# KiCad board Quanta_RP2040Stamp_JLCPCBAoptimized.kicad_pcb (continued)
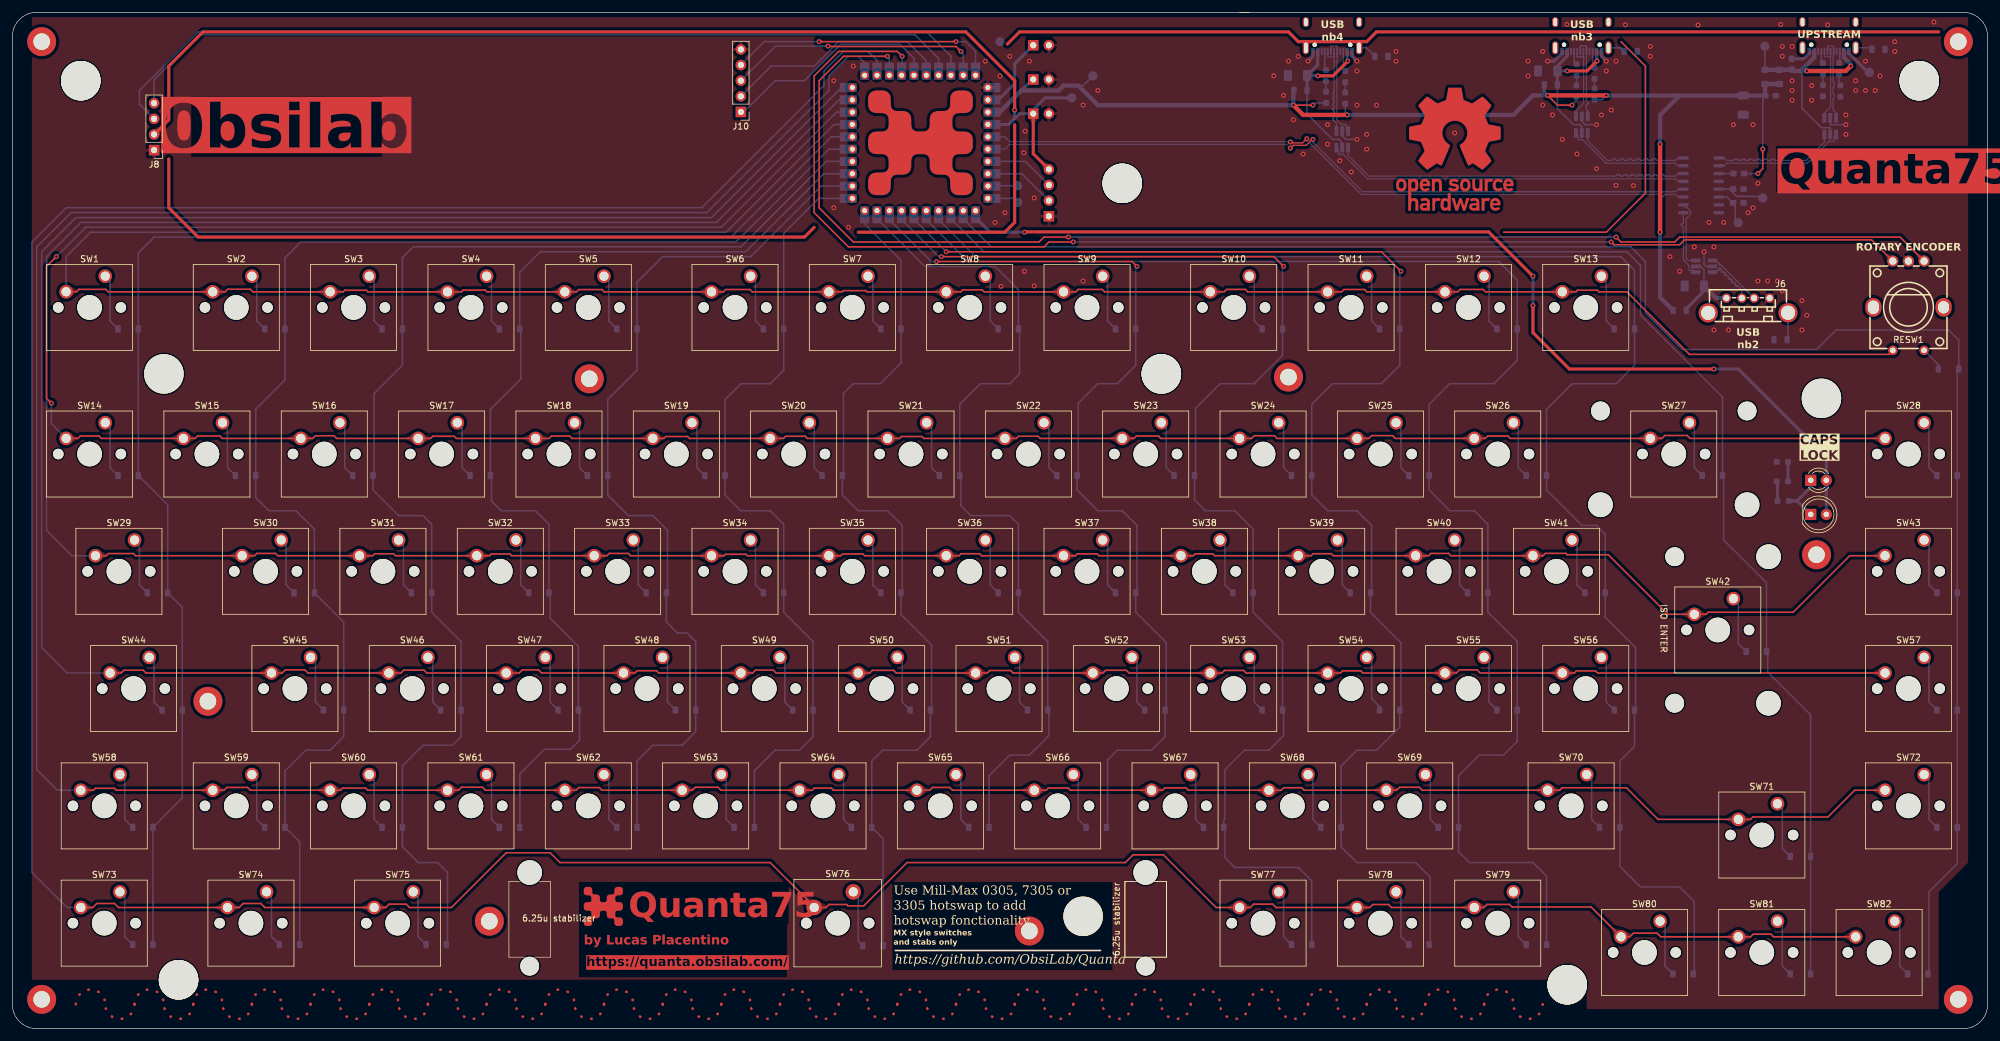
[diagram p0: board, top side]
## Footprints (pads in the part's own frame, mm; a bottom-side part is the same pattern mirrored in y, then rotated) (continued)
  round 4 hole 4 unplated: (-2.54,-5.08)
  round 2.2 hole 1.5: 1(0,0) 2(-6.35,-2.54)
SW_Cherry_MX_1.50u_PCB
  round 1.7 hole 1.7 unplated: (-7.62,-5.08) (2.54,-5.08)
  round 4 hole 4 unplated: (-2.54,-5.08)
  round 2.2 hole 1.5: 1(0,0) 2(-6.35,-2.54)
SW_Cherry_MX_1.75u_PCB
  round 1.7 hole 1.7 unplated: (-7.62,-5.08) (2.54,-5.08)
  round 4 hole 4 unplated: (-2.54,-5.08)
  round 2.2 hole 1.5: 1(0,0) 2(-6.35,-2.54)
SW_Cherry_MX_2.00u_PCB
  round 3.05 hole 3.05 unplated: (-14.44,1.92) (9.36,1.92)
  round 4 hole 4 unplated: (-14.44,-13.32) (-2.54,-5.08) (9.36,-13.32)
  round 1.7 hole 1.7 unplated: (-7.62,-5.08) (2.54,-5.08)
  round 2.2 hole 1.5: 1(0,0) 2(-6.35,-2.54)
SW_Cherry_MX_ISOEnter_PCB
  round 3.05 hole 3.05 unplated: (-9.54,6.82) (-9.54,-16.98)
  round 1.7 hole 1.7 unplated: (-7.62,-5.08) (2.54,-5.08)
  round 4 hole 4 unplated: (-2.54,-5.08) (5.7,6.82) (5.7,-16.98)
  round 2.2 hole 1.5: 1(0,0) 2(-6.35,-2.54)
SW_Cherry_MX_PCB_6.25u
  round 1.75 hole 1.75 unplated: (-5.08,0) (5.08,0)
  round 4 hole 4 unplated: (0,0)
  round 2.5 hole 1.5: 1(-3.81,2.54) 2(2.54,5.08)
TestPoint_Pad_D1.5mm
  round 1.5 smd: 1(0,0)
USB-A-TH_KH-AF180ZJ-13.7
  round 1.5 hole 1: 1(-3.52,1.2) 2(-1.02,1.2) 3(0.98,1.2) 4(3.48,1.2)
  round 3.1 hole 2.3: 5(6.48,-1.18) 6(-6.48,-1.2)
USB-C-SMD_G-SWITCH_GT-USB-7010EN
  round 0.7 hole 0.7: (-2.89,1.3) (2.89,1.3)
  oval 1x2.1 hole 0.6x1.7: 1(-4.32,1.8) 2(4.32,1.8)
  oval 1x1.6 hole 0.6x1.3: 3(4.32,-2.38) 4(-4.32,-2.38)
  rect 0.6x1.15 smd: A1(-3.2,2.38) A4(-2.4,2.38) B1(3.2,2.38) B4(2.4,2.38)
  rect 0.3x1.15 smd: A5(-1.25,2.38) A6(-0.25,2.38) A7(0.25,2.38) A8(1.25,2.38) B5(1.75,2.38) B6(0.75,2.38) B7(-0.75,2.38) B8(-1.75,2.38)

## Nets
+3.3V: J3.1 J5.4 J8.2 TP3.1 U1.34
+5V: C3.2 C7.2 C9.2 FB4.2 FB5.1 FB6.1 FB7.1 FB9.2 J2.1 R6.2 R9.2 R11.2 R14.2 TP4.1 U1.33
GND: C1.2 C2.2 C4.1 C5.2 C6.2 C7.1 C8.1 C9.1 D83.2 D84.2 D85.2 D86.2 FB1.1 FB2.1 FB3.1 FB8.1 J1.A1 J1.B1 J2.2 J3.2 J4.2 J5.1 J6.4 J7.A1 J7.B1 J8.1 J9.A1 J9.B1 J10.5 R1.2 R3.2 R15.2 RESW1.C TP5.1 TP14.1 U1.31 U2.12 U2.16
VBAT: J4.1 U1.32
VBUS_UP: C4.2 D83.5 FB4.1 FB9.1 J1.A4 J1.B4 TP13.1
/USB2+: D84.1 J6.3
/USB2-: D84.3 J6.2
/USB3+: D85.3 J9.A6 J9.B6
/USB3-: D85.1 J9.A7 J9.B7
/USB4+: D86.3 J7.A6 J7.B6
/USB4-: D86.1 J7.A7 J7.B7
/USBUP+: D83.4 U2.10
/USBUP-: D83.6 U2.9
Column1: D1.1 D14.1 D29.1 D44.1 D58.1 D73.1 U1.16
Column2: D2.1 D15.1 D30.1 D45.1 D59.1 D74.1 U1.15
Column3: D3.1 D16.1 D31.1 D46.1 D60.1 D75.1 U1.14
Column4: D4.1 D17.1 D32.1 D47.1 D61.1 U1.13
Column5: D5.1 D18.1 D33.1 D48.1 D62.1 U1.12
Column6: D6.1 D19.1 D34.1 D49.1 D63.1 U1.11
Column7: D7.1 D20.1 D35.1 D50.1 D64.1 D76.1 U1.10
Column8: D8.1 D21.1 D36.1 D51.1 D65.1 U1.9
Column9: D9.1 D22.1 D37.1 D52.1 D66.1 U1.8
Column10: D10.1 D23.1 D38.1 D53.1 D67.1 D77.1 U1.7
Column11: D11.1 D24.1 D39.1 D54.1 D68.1 D78.1 U1.6
Column12: D12.1 D25.1 D40.1 D55.1 D69.1 D79.1 U1.5
Column13: D13.1 D26.1 D41.1 D56.1 D70.1 D80.1 U1.4
Column14: D27.1 D42.1 D71.1 D81.1 U1.3
Column15: D28.1 D43.1 D57.1 D72.1 D82.1 RED1.1 U1.2
GPIO0_LED: D87.2 D88.2 U1.1
I2C1-SCL: J8.3 U1.28
I2C1-SDA: J8.4 U1.27
REA: RESW1.A U1.23
REB: RESW1.B U1.24
Row1: SW1.2 SW2.2 SW3.2 SW4.2 SW5.2 SW6.2 SW7.2 SW8.2 SW9.2 SW10.2 SW11.2 SW12.2 SW13.2 U1.17
Row2: SW14.2 SW15.2 SW16.2 SW17.2 SW18.2 SW19.2 SW20.2 SW21.2 SW22.2 SW23.2 SW24.2 SW25.2 SW26.2 SW27.2 SW28.2 U1.18
Row3: SW29.2 SW30.2 SW31.2 SW32.2 SW33.2 SW34.2 SW35.2 SW36.2 SW37.2 SW38.2 SW39.2 SW40.2 SW41.2 SW42.2 SW43.2 U1.19
Row4: SW44.2 SW45.2 SW46.2 SW47.2 SW48.2 SW49.2 SW50.2 SW51.2 SW52.2 SW53.2 SW54.2 SW55.2 SW56.2 SW57.2 U1.20
Row5: SW58.2 SW59.2 SW60.2 SW61.2 SW62.2 SW63.2 SW64.2 SW65.2 SW66.2 SW67.2 SW68.2 SW69.2 SW70.2 SW71.2 SW72.2 U1.21
Row6: SW73.2 SW74.2 SW75.2 SW76.1 SW77.2 SW78.2 SW79.2 SW80.2 SW81.2 SW82.2 U1.22
USB1_D+: U1.36 U2.4
USB1_D-: U1.35 U2.3
USB2_D+: D84.6 U2.2
USB2_D-: D84.4 U2.1
USB3_D+: D85.4 U2.8
USB3_D-: D85.6 U2.7
USB4_D+: D86.4 U2.6
USB4_D-: D86.6 U2.5
USB_UP_D+: D83.3 J1.A6 J1.B6
USB_UP_D-: D83.1 J1.A7 J1.B7
Net-(D1-A): D1.2 SW1.1
Net-(D2-A): D2.2 SW2.1
Net-(D3-A): D3.2 SW3.1
Net-(D4-A): D4.2 SW4.1
Net-(D5-A): D5.2 SW5.1
Net-(D6-A): D6.2 SW6.1
Net-(D7-A): D7.2 SW7.1
Net-(D8-A): D8.2 SW8.1
Net-(D9-A): D9.2 SW9.1
Net-(D10-A): D10.2 SW10.1
Net-(D11-A): D11.2 SW11.1
Net-(D12-A): D12.2 SW12.1
Net-(D13-A): D13.2 SW13.1
Net-(D14-A): D14.2 SW14.1
Net-(D15-A): D15.2 SW15.1
Net-(D16-A): D16.2 SW16.1
Net-(D17-A): D17.2 SW17.1
Net-(D18-A): D18.2 SW18.1
Net-(D19-A): D19.2 SW19.1
Net-(D20-A): D20.2 SW20.1
Net-(D21-A): D21.2 SW21.1
Net-(D22-A): D22.2 SW22.1
Net-(D23-A): D23.2 SW23.1
Net-(D24-A): D24.2 SW24.1
Net-(D25-A): D25.2 SW25.1
Net-(D26-A): D26.2 SW26.1
Net-(D27-A): D27.2 SW27.1
Net-(D28-A): D28.2 SW28.1
Net-(D29-A): D29.2 SW29.1
Net-(D30-A): D30.2 SW30.1
Net-(D31-A): D31.2 SW31.1
Net-(D32-A): D32.2 SW32.1
Net-(D33-A): D33.2 SW33.1
Net-(D34-A): D34.2 SW34.1
Net-(D35-A): D35.2 SW35.1
Net-(D36-A): D36.2 SW36.1
Net-(D37-A): D37.2 SW37.1
Net-(D38-A): D38.2 SW38.1
Net-(D39-A): D39.2 SW39.1
Net-(D40-A): D40.2 SW40.1
Net-(D41-A): D41.2 SW41.1
Net-(D42-A): D42.2 SW42.1
Net-(D43-A): D43.2 SW43.1
Net-(D44-A): D44.2 SW44.1
Net-(D45-A): D45.2 SW45.1
Net-(D46-A): D46.2 SW46.1
Net-(D47-A): D47.2 SW47.1
Net-(D48-A): D48.2 SW48.1
Net-(D49-A): D49.2 SW49.1
Net-(D50-A): D50.2 SW50.1
Net-(D51-A): D51.2 SW51.1
Net-(D52-A): D52.2 SW52.1
Net-(D53-A): D53.2 SW53.1
Net-(D54-A): D54.2 SW54.1
Net-(D55-A): D55.2 SW55.1
Net-(D56-A): D56.2 SW56.1
Net-(D57-A): D57.2 SW57.1
Net-(D58-A): D58.2 SW58.1
Net-(D59-A): D59.2 SW59.1
Net-(D60-A): D60.2 SW60.1
Net-(D61-A): D61.2 SW61.1
Net-(D62-A): D62.2 SW62.1
Net-(D63-A): D63.2 SW63.1
Net-(D64-A): D64.2 SW64.1
Net-(D65-A): D65.2 SW65.1
Net-(D66-A): D66.2 SW66.1
Net-(D67-A): D67.2 SW67.1
Net-(D68-A): D68.2 SW68.1
Net-(D69-A): D69.2 SW69.1
Net-(D70-A): D70.2 SW70.1
Net-(D71-A): D71.2 SW71.1
Net-(D72-A): D72.2 SW72.1
Net-(D73-A): D73.2 SW73.1
Net-(D74-A): D74.2 SW74.1
Net-(D75-A): D75.2 SW75.1
Net-(D76-A): D76.2 SW76.2
Net-(D77-A): D77.2 SW77.1
Net-(D78-A): D78.2 SW78.1
Net-(D79-A): D79.2 SW79.1
Net-(D80-A): D80.2 SW80.1
Net-(D81-A): D81.2 SW81.1
Net-(D82-A): D82.2 SW82.1
Net-(D84-VP): C8.2 D84.5 FB5.2 J6.1
Net-(D85-VP): C5.1 D85.5 FB6.2 J9.A4 J9.B4
Net-(D86-VP): C6.1 D86.5 FB7.2 J7.A4 J7.B4
Net-(D87-K): D87.1 D88.1 R12.1
Net-(J1-CC1): J1.A5 R4.1
Net-(J1-CC2): J1.B5 R2.1
Net-(J1-SHIELD): FB1.2
Net-(J5-Pin_2): J5.2 U1.38
Net-(J5-Pin_3): J5.3 U1.37
Net-(J6-Shield): FB2.2 J6.5
Net-(J7-CC1): J7.A5 R5.1
Net-(J7-CC2): J7.B5 R8.1
Net-(J7-SHIELD): FB8.2 J7.2
Net-(J9-CC1): J9.A5 R10.1
Net-(J9-CC2): J9.B5 R7.1
Net-(J9-SHIELD): FB3.2
Net-(J10-Pin_1): J10.1 U1.25
Net-(J10-Pin_2): J10.2 U1.26
Net-(J10-Pin_3): J10.3 U1.29
Net-(J10-Pin_4): J10.4 U1.30
Net-(R1-Pad1): R1.1 R4.2
Net-(R2-Pad2): R2.2 R3.1
Net-(R5-Pad2): R5.2 R6.1
Net-(R8-Pad2): R8.2 R9.1
Net-(R10-Pad2): R10.2 R14.1
Net-(R11-Pad1): R7.2 R11.1
Net-(R12-Pad2): R12.2 R13.1
Net-(R13-Pad2): R13.2 R15.1
Net-(RED1-A): RED1.2
Net-(U1-BOOTSEL): TP1.1 U1.40
Net-(U1-~{RESET}): TP2.1 U1.39
Net-(U2-VDD5): C3.1 U2.11
Net-(U2-VDD18): C2.1 TP12.1 U2.14
Net-(U2-VDD33): C1.1 TP11.1 U2.13

Pads without a net: J1 1 2 3 4 A8 B8; J6 6; J7 1 3 4 A8 B8; J9 1 2 3 4 A8 B8; M2.5 1; M2.5#2 1; M2.5#3 1; M2.5#4 1; M2.5#5 1; M2.5#6 1; M2.5#7 1; M2.5#8 1; M2.5#9 1; M2.5#10 1; RESW1 1 2 3 4; U2 15

## Via types
v1: diameter 0.8, hole 0.4, Top to Bottom, 148 vias

## Routing (per net, layer and track width the routed paths; a pad name or vN(x,y) marks a point on that pad's centre or on a via; arc(x,y) is an arc through that point)
+3.3V: length 187.7
  Top w0.5: J5.4 165.74,142.13 J3.1 ; J8.2 25.4,147.64 25.4,156.37 30.96,161.93 154.78,161.93 162.72,153.99 v1(162.72,149.22)
  Bottom w0.5: 161.75,146.88 162.72,147.84 v1(162.72,149.22) ; 161.75,146.88 163.51,148.64 J3.1 165.74,149.27 167.68,151.22 TP3.1 ; 161.75,146.88 U1.34
+5V: length 214.8
  Top w0.25: v1(253.21,150.02) 250.83,150.02 v1(249.24,151.61) ; v1(211.14,150.02) v1(207.96,150.02) ; v1(283.37,138.91) 284.16,139.7 v1(284.16,142.88)
  Top w0.7: v1(216.69,148.43) 209.55,148.43 v1(207.96,150.02) ; v1(258.76,151.61) v1(249.24,151.61) ; v1(267.49,143.67) v1(267.49,129.38)
  Bottom w0.25: v1(258.76,151.61) 258.06,150.9 R11.2 ; R6.2 211.49,150.38 v1(211.14,150.02) ; v1(283.37,138.91) C3.2 ; 173.04,153.19 173.83,153.19 TP4.1 ; v1(284.16,142.88) 284.16,151.15 C7.2 ; v1(216.69,148.43) 216.39,148.73 R9.2 ; v1(253.21,150.02) 253.9,150.71 R14.2
  Bottom w0.5: 163.79,152.4 165.59,154.19 J2.1 ; 284.54,151.58 C7.2 284.53,151.59 ; U1.33 160.42,148.88 ; v1(249.24,151.61) 248.69,152.15 FB6.1 ; 284.54,153.46 FB9.2
  Bottom w0.7: 270.67,151.58 267.49,148.41 v1(267.49,143.67) ; 270.67,151.58 258.79,151.58 v1(258.76,151.61) ; 270.67,151.58 C9.2 284.54,151.58 ; v1(267.49,129.38) 267.49,118.79 FB5.1 ; U1.33 160.27,148.88 163.79,152.4 169.86,152.4 170.66,153.19 173.04,153.19 176.21,150.02 v1(207.96,150.02) 207.96,152.36 FB7.1 ; v1(249.24,151.61) 246.86,151.61 243.68,148.43 v1(216.69,148.43) ; FB4.2 284.54,153.46 ; FB9.2 284.53,151.59
GND: length 31.3
  Bottom w0.25: v1(274.64,126.21) 274.64,124.14 274.96,123.83 D84.2 ; D83.2 295.12,146.93 295.2,146.84 v1(297.66,146.84) ; v1(218.28,144.46) 216.45,144.46 215.9,145.01 D86.2 ; v1(257.18,146.84) 255.34,146.84 254.79,147.39 D85.2
  Bottom w0.5: v1(218.28,157.16) 217.51,157.93 J7.B1 ; J7.A1 211.11,157.93 v1(210.34,157.16) ; v1(249.24,157.16) 250.28,157.16 251.59,158.48 J9.A1 ; TP14.1 301.26,155.34 298.12,158.48 J1.B1 ; J9.B1 257.99,157.93 v1(258.76,157.16) ; C4.1 290.79,157.54 291.72,158.48 J1.A1
  vias: v1(133.35,153.99) v1(133.35,133.35) v1(135.73,130.18) v1(136.53,156.37) v1(157.96,157.16) v1(159.54,130.97) v1(160.34,154.78) v1(160.51,120.59) v1(161.13,132.56) v1(161.93,157.96) v1(164.2,142.29) v1(164.31,123.03) v1(164.42,145.79) v1(165.1,157.16) v1(165.89,134.94) v1(165.89,120.65) v1(173.83,150.02) v1(173.83,121.44) v1(176.21,152.4) v1(204.79,154.78) v1(206.38,151.61) v1(207.17,157.16) v1(207.96,147.64) v1(208.76,157.96) v1(209.55,142.08) v1(213.52,146.84) v1(213.52,143.67) v1(215.49,141) v1(217.36,139.17) v1(218.28,155.57) v1(218.28,150.02) v1(219.87,145.26) v1(219.87,142.88) v1(221.46,150.02) v1(224.63,158.75) v1(224.63,157.16) v1(234.16,145.5) v1(246.06,157.16) v1(246.06,154.78) v1(248.44,158.75) v1(248.44,150.02) v1(250.03,148.43) v1(251.62,144.46) v1(252.37,163.13) v1(254,142.08) v1(257.18,139.7) v1(257.97,148.43) v1(258.76,155.57) v1(259.56,149.22) v1(260.35,157.16) v1(260.34,136.99) v1(261.86,163.07) v1(263.17,136.95) v1(265.91,159.54) v1(265.91,157.96) v1(269.08,125.41) v1(270.67,123.03) v1(273.05,127) v1(273.66,163.03) v1(275.43,130.97) v1(276.23,127) v1(276.23,113.51) v1(277.81,130.97) v1(278.61,113.51) v1(279.4,146.84) v1(281.78,132.56) v1(282.58,146.84) v1(282.58,133.35) v1(283.37,137.32) v1(283.37,121.44) v1(284.96,121.44) v1(286.54,121.44) v1(287.08,163.13) v1(287.34,159.54) v1(287.34,157.96) v1(287.34,119.86) v1(288.93,159.54) v1(288.93,153.99) v1(288.93,152.4) v1(288.93,150.81) v1(290.51,118.27) v1(290.51,113.51) v1(291.31,115.89) v1(292.1,153.19) v1(292.1,150.81) v1(294.7,163.05) v1(297.66,148.43) v1(297.66,145.26) v1(299.24,153.99) v1(299.24,152.4) v1(300.83,157.16) v1(300.83,152.4) v1(302.42,152.4) v1(303.21,154.78) v1(305.59,160.34) v1(305.59,158.75) v1(311.94,163.51)
VBAT: length 12.3
  Bottom w0.5: U1.32 160.07,150.88 162.72,153.53 162.72,156.73 J4.1
VBUS_UP: length 38.9
  Top w0.7: v1(291.31,155.57) 297.66,155.57 v1(298.45,156.37)
  Bottom w0.25: FB9.1 284.5,155.78 TP13.1 ; D83.5 295.12,146.29 295.04,146.36 293.69,146.36 290.51,149.54 290.51,155.38 290.32,155.57 ; 289.09,155.57 C4.2
  Bottom w0.5: 289.72,155.57 290.32,155.57 ; 288.79,155.76 C4.2 ; 286.85,155.75 FB4.1 ; 298.45,156.65 v1(298.45,156.37)
  Bottom w0.7: v1(291.31,155.57) 289.09,155.57 ; 298.45,156.65 297.32,157.78 J1.B4 ; J1.A4 292.52,157.78 290.32,155.57 ; FB9.1 286.85,155.75 ; FB4.1 288.79,155.76
(no net): length 209.2
  Top w0.25: 242.09,129.38 258.76,129.38 265.11,135.73 265.11,156.37 261.14,160.34
  Top w0.5: 130.18,130.18 128.59,128.59 30.16,128.59 25.4,133.35 25.4,141.29 ; 137.32,129.38 161.13,129.38 162.72,130.97 162.72,146.84
/USB2+: length 9.5
  Bottom w0.2: D84.1 276.44,124.78 276.77,124.45 277.07,124.45 277.07,124.15 277.17,124.05 277.39,124.05 J6.3
/USB2-: length 9.5
  Bottom w0.2: J6.2 280.76,120.04 280.17,120.63 arc(280.09,120.66) 280,120.63 arc(279.91,120.59) 279.83,120.63 279.72,120.74 arc(279.68,120.82) 279.72,120.91 arc(279.75,121) 279.72,121.08 279.61,121.19 arc(279.52,121.23) 279.43,121.19 arc(279.35,121.16) 279.26,121.19 279.15,121.3 arc(279.12,121.39) 279.15,121.48 arc(279.19,121.56) 279.15,121.65 279.04,121.76 arc(278.95,121.8) 278.87,121.76 arc(278.78,121.72) 278.7,121.76 278.59,121.87 arc(278.55,121.96) 278.59,122.04 arc(278.62,122.13) 278.59,122.21 278.47,122.33 arc(278.39,122.36) 278.3,122.33 arc(278.22,122.29) 278.13,122.33 278.02,122.44 arc(277.98,122.52) 278.02,122.61 arc(278.06,122.69) 278.02,122.78 277.91,122.89 arc(277.82,122.93) 277.74,122.89 arc(277.65,122.86) 277.57,122.89 277.45,123 arc(277.42,123.09) 277.45,123.17 arc(277.49,123.26) 277.45,123.35 277.2,123.6 277.17,123.6 277.07,123.5 277.07,123.2 276.77,123.2 276.44,122.88 D84.3
/USB3+: length 13.8
  Bottom w0.2: D85.3 255.74,149.07 255.52,149.29 255.52,150.02 arc(255.57,150.15) 255.7,150.2 arc(255.83,150.25) 255.88,150.38 255.88,150.42 arc(255.83,150.55) 255.7,150.6 arc(255.57,150.65) 255.52,150.78 255.52,157.86 255.54,157.89 J9.B6
  Bottom w0.25: J9.A6 254.54,159.63 254.57,159.65 255.52,159.65 255.54,159.63 J9.B6
/USB3-: length 13
  Bottom w0.2: J9.A7 255.04,157.89 255.07,157.86 255.07,150.29 253.84,149.07 D85.1
  Bottom w0.25: J9.B7 254.04,157.88 254.07,157.85 255.06,157.85 255.07,157.86
/USB4+: length 17
  Bottom w0.2: D86.3 216.53,146.14 216.53,146.89 215.77,146.89 215.04,147.62 215.04,157.07 215.06,157.09 215.06,157.96 ; J7.B6 215.06,159.58 215.01,159.63 214.11,159.63 214.06,159.58 J7.A6
  Bottom w0.25: 214.06,158.83 214.09,158.86 ; 215.04,158.86 215.06,158.83 215.06,157.96
/USB4-: length 16.4
  Bottom w0.2: 214.56,157.96 214.48,157.88 213.61,157.88 213.56,157.93 J7.B7 ; 214.56,157.96 214.56,157.09 214.59,157.07 214.59,152.21 arc(214.56,152.14) 214.49,152.11 arc(214.42,152.08) 214.39,152.01 214.39,151.81 arc(214.42,151.74) 214.49,151.71 arc(214.56,151.68) 214.59,151.61 214.59,151.41 arc(214.56,151.34) 214.49,151.31 arc(214.42,151.28) 214.39,151.21 214.39,151.01 arc(214.42,150.94) 214.49,150.91 arc(214.56,150.88) 214.59,150.81 214.59,150.45 arc(214.56,150.38) 214.48,150.35 arc(214.41,150.31) 214.37,150.24 214.37,150.05 arc(214.41,149.98) 214.48,149.95 arc(214.56,149.91) 214.59,149.84 214.59,149.65 arc(214.56,149.58) 214.48,149.55 arc(214.41,149.51) 214.37,149.44 214.37,149.25 arc(214.41,149.18) 214.48,149.15 arc(214.56,149.11) 214.59,149.04 214.59,148.85 arc(214.56,148.78) 214.48,148.75 arc(214.41,148.71) 214.37,148.64 214.37,148.45 arc(214.41,148.38) 214.48,148.35 arc(214.56,148.31) 214.59,148.24 214.59,148.05 arc(214.56,147.98) 214.48,147.95 arc(214.41,147.91) 214.37,147.84 214.37,147.65 arc(214.41,147.58) 214.48,147.55 arc(214.56,147.51) 214.59,147.44 214.95,147.08 D86.1 ; 214.56,157.96 J7.A7
/USBUP+: length 21.6
  Bottom w0.2: D83.4 295.74,144.93 295.74,144.18 294.99,144.18 291.4,140.59 278.3,140.59 277.89,140.18 U2.10
/USBUP-: length 21.5
  Bottom w0.2: U2.9 277.89,141.45 278.3,141.04 279.4,141.04 arc(279.48,141.07) 279.51,141.14 arc(279.54,141.22) 279.62,141.25 280,141.25 arc(280.08,141.22) 280.11,141.14 arc(280.14,141.07) 280.22,141.04 280.6,141.04 arc(280.68,141.07) 280.71,141.14 arc(280.74,141.22) 280.82,141.25 281.2,141.25 arc(281.28,141.22) 281.31,141.14 arc(281.34,141.07) 281.42,141.04 281.8,141.04 arc(281.88,141.07) 281.91,141.14 arc(281.94,141.22) 282.02,141.25 282.4,141.25 arc(282.48,141.22) 282.51,141.14 arc(282.54,141.07) 282.62,141.04 283,141.04 arc(283.08,141.07) 283.11,141.14 arc(283.14,141.22) 283.22,141.25 283.6,141.25 arc(283.68,141.22) 283.71,141.14 arc(283.74,141.07) 283.82,141.04 284.2,141.04 arc(284.28,141.07) 284.31,141.14 arc(284.34,141.22) 284.42,141.25 284.8,141.25 arc(284.88,141.22) 284.91,141.14 arc(284.94,141.07) 285.02,141.04 285.4,141.04 arc(285.48,141.07) 285.51,141.14 arc(285.54,141.22) 285.62,141.25 286,141.25 arc(286.08,141.22) 286.11,141.14 arc(286.14,141.07) 286.22,141.04 286.6,141.04 arc(286.68,141.07) 286.71,141.14 arc(286.74,141.22) 286.82,141.25 287.2,141.25 arc(287.28,141.22) 287.31,141.14 arc(287.34,141.07) 287.42,141.04 291.21,141.04 294.17,143.99 D83.6
Column1: length 240.4
  Bottom w0.25: U1.16 132.97,144.88 116.68,128.59 23.02,128.59 20.46,126.03 D1.1 D14.1 25.22,85.09 D29.1 27.6,68.43 D44.1 27.6,37.47 D58.1 D73.1
Column2: length 228
  Bottom w0.25: D74.1 46.65,30.32 D59.1 44.27,41.89 47.63,45.24 51.59,45.24 53.79,47.44 D45.1 53.79,66.04 D30.1 49.03,81.14 46.04,84.14 41.66,84.14 39.51,86.29 D15.1 39.52,89.87 39.52,100.63 44.27,105.39 D2.1 44.27,125.23 46.83,127.79 117.48,127.79 132.56,142.88 U1.15
Column3: length 212.4
  Bottom w0.25: U1.14 132.14,140.88 118.27,127 65.09,127 63.32,125.23 D3.1 63.32,107.77 58.74,103.19 58.74,90.04 D16.1 58.56,87.49 62.71,83.34 66.68,83.34 68.08,81.94 D31.1 68.08,67.65 72.84,62.89 D46.1 72.84,47.44 71.44,46.04 66.68,46.04 63.32,42.68 D60.1 63.32,29.55 65.88,26.99 69.06,26.99 70.64,25.4 70.64,13.84 D75.1
Column4: length 168
  Bottom w0.25: D61.1 82.39,32.73 82.39,41.39 86.38,45.38 90.63,45.38 92.08,46.83 92.08,51.57 D47.1 91.89,62.09 87.31,66.68 87.31,70.62 D32.1 87.13,81.94 84.93,84.14 79.38,84.14 77.79,85.72 77.79,89.68 D17.1 77.61,100.62 82.55,105.57 82.55,113.49 D4.1 82.37,122.85 85.73,126.21 119.06,126.21 131.73,138.88 U1.13
Column5: length 147.4
  Bottom w0.25: D62.1 101.42,43.47 103.98,46.04 108.74,46.04 110.94,48.24 D48.1 110.94,62.89 109.54,64.29 107.95,64.29 106.18,66.06 D33.1 106.36,70.99 106.36,80.96 103.98,83.34 100.01,83.34 96.66,86.7 D18.1 96.66,102.21 101.42,106.97 D5.1 101.42,121.26 105.57,125.41 119.86,125.41 131.32,136.88 U1.12
Column6: length 131
  Bottom w0.25: U1.11 130.91,134.88 125.23,129.2 D6.1 125.23,106.97 123.03,104.78 118.27,104.78 115.71,102.21 D19.1 115.71,86.7 118.27,84.14 123.03,84.14 125.23,81.94 D34.1 125.23,67.65 129.99,62.89 D49.1 129.99,47.44 127.79,45.24 123.83,45.24 120.47,41.89 D63.1
Column7: length 144.6
  Bottom w0.25: U1.10 138.37,130.71 144.26,124.82 144.26,113.69 D7.1 144.28,108.17 140.89,104.78 136.53,104.78 134.94,103.19 134.94,90.04 D20.1 134.76,86.7 137.32,84.14 142.08,84.14 144.46,81.76 144.46,70.99 D35.1 144.28,67.25 149.23,62.31 149.23,51.94 D50.1 149.04,47.44 146.84,45.24 141.29,45.24 139.52,43.47 D64.1 141.35,30.88 D76.1
Column8: length 138.2
  Bottom w0.25: U1.9 140.37,131.57 148.12,123.83 159.54,123.83 163.33,120.04 D8.1 163.51,113.49 163.51,106.36 161.93,104.78 157.16,104.78 153.81,101.42 D21.1 153.99,89.68 153.99,84.93 155.58,83.34 161.93,83.34 163.33,81.94 D36.1 163.33,67.65 168.09,62.89 D51.1 168.28,51.57 168.28,47.62 165.1,44.45 161.93,44.45 158.57,41.09 D65.1
Column9: length 156.9
  Top w0.25: v1(182.56,123.83) 181.77,124.62 v1(150.02,124.62)
  Bottom w0.25: v1(182.56,123.83) 182.38,123.64 D9.1 182.38,107.77 179.39,104.78 176.21,104.78 173.04,101.6 173.04,90.04 D22.1 172.86,87.49 176.21,84.14 180.18,84.14 182.56,81.76 182.56,70.99 D37.1 182.38,67.65 187.33,62.71 187.33,51.94 D52.1 187.14,47.44 184.94,45.24 179.39,45.24 177.8,43.66 177.8,32.89 D66.1 ; U1.8 142.37,131.43 149.18,124.62 v1(150.02,124.62)
Column10: length 212.5
  Top w0.25: v1(150.81,125.41) 204.79,125.41 v1(206.38,123.83)
  Bottom w0.25: D77.1 210.96,23.99 208.76,26.19 198.44,26.19 196.85,27.78 196.85,32.53 D67.1 196.67,33.95 196.85,34.13 196.85,42.07 200.03,45.24 203.99,45.24 206.38,47.62 206.38,51.57 D53.1 206.19,62.89 201.43,67.65 D38.1 201.43,81.14 198.44,84.14 193.68,84.14 191.91,85.91 D23.1 192.09,90.04 192.09,100.81 196.06,104.78 201.61,104.78 206.19,109.36 D10.1 206.19,123.64 v1(206.38,123.83) ; U1.7 144.37,131.43 150.38,125.41 v1(150.81,125.41)
Column11: length 229.8
  Top w0.25: v1(151.61,126.21) 222.25,126.21 v1(225.43,123.03)
  Bottom w0.25: v1(151.61,126.21) 146.37,131.44 U1.6 ; D78.1 230.19,13.84 230.19,24.61 227.81,26.99 218.28,26.99 215.72,29.55 D68.1 215.72,42.68 218.28,45.24 221.46,45.24 225.24,49.03 D54.1 225.43,51.94 225.43,62.71 220.48,67.65 D39.1 220.66,70.99 220.66,81.76 218.28,84.14 213.52,84.14 210.96,86.7 D24.1 210.96,101.42 214.31,104.78 222.25,104.78 225.24,107.77 D11.1 225.24,122.85 v1(225.43,123.03)
Column12: length 245.3
  Bottom w0.25: U1.5 148.37,131.43 155.18,124.62 241.3,124.62 244.29,121.62 D12.1 244.29,108.56 240.51,104.78 233.36,104.78 230.01,101.42 D25.1 230.01,87.49 233.36,84.14 237.33,84.14 239.53,81.94 D40.1 239.53,67.65 244.29,62.89 D55.1 244.29,46.65 242.09,44.45 238.13,44.45 234.77,41.09 D69.1 234.77,28.76 236.54,26.99 246.86,26.99 249.06,24.79 D79.1
Column13: length 258.8
  Bottom w0.25: D80.1 273.05,9.07 273.05,20.64 270.67,23.02 264.32,23.02 260.96,26.38 D70.1 260.96,43.47 263.34,45.86 D56.1 263.53,51.94 263.53,61.91 258.58,66.86 D41.1 258.58,80.35 257.18,81.76 254.79,81.76 249.06,87.49 D26.1 249.06,100.62 253.21,104.78 260.35,104.78 263.34,107.77 D13.1 263.34,123.21 261.14,125.41 156.38,125.41 150.37,131.43 U1.4
Column14: length 242.3
  Bottom w0.25: U1.3 152.37,131.57 157.74,126.21 262.09,126.21 264.32,123.98 264.32,115.89 277.63,102.58 D27.1 277.81,89.68 277.81,79.38 284.78,72.41 D42.1 284.96,61.1 284.96,57.94 291.92,50.98 D71.1 291.92,27.97 D81.1
Column15: length 283
  Bottom w0.25: U1.2 154.37,131.57 158.94,127 262.73,127 265.11,124.62 265.11,116.28 271.07,110.33 292.89,110.33 296.07,113.51 314.33,113.51 315.98,111.86 RED1.1 315.73,106.91 315.73,26.81 311.15,22.22 311.15,9.07 D82.1
GPIO0_LED: length 169.4
  Top w0.5: v1(276.23,107.16) 252.77,107.16 246.86,113.07 v1(246.86,117.47) ; v1(246.86,122.24) 239.66,129.44 164.36,129.44 v1(164.31,129.38)
  Bottom w0.5: U1.1 156.37,131.76 158.75,129.38 v1(164.31,129.38) ; v1(276.23,107.16) 280.19,107.16 294.48,92.87 D88.2 D87.2 ; v1(246.86,117.47) v1(246.86,122.24)
I2C1-SCL: length 145.4
  Bottom w0.25: J8.3 20.64,150.18 20.64,152.4 30.16,161.93 148.43,161.93 152.37,157.99 U1.28
I2C1-SDA: length 137.9
  Bottom w0.25: J8.4 23.02,154.14 30.35,161.47 146.5,161.47 150.37,157.61 U1.27
REA: length 220.2
  Top w0.25: v1(260.35,128.59) 261.14,127.79 269.88,127.79 270.67,128.59 306.45,128.59 RESW1.A ; v1(142.08,157.96) 134.94,157.96 130.97,153.99 130.97,133.35 136.53,127.79 166.69,127.79 167.48,128.59 v1(171.45,128.59)
  Bottom w0.25: U1.23 142.37,157.67 v1(142.08,157.96) ; v1(260.35,128.59) v1(171.45,128.59)
REB: length 220.6
  Top w0.25: RESW1.B 301.82,128.14 271.46,128.14 270.67,127.34 260.01,127.34 v1(259.56,127.79) ; v1(144.46,157.96) 143.67,158.75 134.14,158.75 130.18,154.78 130.18,132.56 135.73,127 167.48,127 168.28,127.79 v1(172.24,127.79)
  Bottom w0.25: v1(144.46,157.96) 144.46,155.62 U1.24 ; v1(259.56,127.79) v1(172.24,127.79)
Row1: length 446.3
  Top w0.25: SW1.2 10.4,119.7 10.8,120.1 15.17,120.1 15.58,119.7 SW2.2 34.55,119.7 34.97,120.12 38.64,120.12 39.06,119.7 SW3.2 53.69,119.7 53.95,119.95 57.47,119.95 57.72,119.7 SW4.2 72.9,119.7 73.18,119.98 76.73,119.98 76.74,119.99 77.03,119.7 SW5.2 91.59,119.7 91.95,120.06 95.73,120.06 96.09,119.7 SW6.2 115.44,119.7 115.81,120.07 119.76,120.07 120.13,119.7 SW7.2 134.7,119.7 134.9,119.89 138.55,119.89 138.74,119.7 SW8.2 153.96,119.7 154.27,120.01 157.42,120.01 157.44,120.03 157.77,119.7 SW9.2 172.65,119.7 173.04,120.08 176.93,120.08 177.31,119.7 SW10.2 196.73,119.7 197.12,120.09 200.16,120.09 200.55,119.7 SW11.2 215.79,119.7 216.17,120.07 219.53,120.07 219.9,119.7 SW12.2 234.64,119.7 235.02,120.08 238.77,120.08 239.15,119.7 SW13.2 253.83,119.7 254.1,119.96 257.32,119.96 257.58,119.7 262.1,119.7 272.26,109.54 304.63,109.54 305.28,110.19
  Bottom w0.25: U1.17 133.38,146.88 115.89,129.38 12.7,129.38 8.73,125.41 SW1.2
Row2: length 470.2
  Top w0.25: SW28.2 272.35,95.88 271.87,96.36 268.27,96.36 267.8,95.88 SW27.2 243.18,95.88 242.8,96.27 239.5,96.27 239.12,95.88 SW26.2 224.53,95.88 224.08,96.34 220.65,96.34 220.2,95.88 SW25.2 205.32,95.88 204.88,96.33 201.61,96.33 201.17,95.88 SW24.2 186.45,95.88 186.05,96.29 182.49,96.29 182.09,95.88 SW23.2 166.85,95.88 166.5,96.24 163.34,96.24 162.99,95.88 SW22.2 147.95,95.88 147.64,96.19 144.33,96.19 144.02,95.88 129.05,95.88 128.7,96.24 128.68,96.23 125.53,96.23 125.18,95.88 SW20.2 109.96,95.88 109.95,95.88 109.63,96.19 106.08,96.19 105.77,95.88 SW19.2 90.84,95.88 90.46,96.27 87.53,96.27 87.14,95.88 SW18.2 72.08,95.88 71.74,96.23 68.24,96.23 67.9,95.88 SW17.2 52.65,95.88 52.22,96.32 49.2,96.32 48.77,95.88 SW16.2 34.08,95.88 33.68,96.29 30.09,96.29 29.69,95.88 SW15.2 14.45,95.88 14.05,96.29 11.05,96.29 10.65,95.88 SW14.2 ; v1(6.35,101.6) 5.56,102.39 5.56,123.83 v1(7.14,125.41)
  Bottom w0.25: U1.18 133.79,148.88 115.09,130.18 11.91,130.18 v1(7.14,125.41) ; SW14.2 6.35,98.27 v1(6.35,101.6)
Row3: length 496.7
  Top w0.25: SW29.2 15.27,76.84 15.61,77.18 19.66,77.18 20,76.84 SW30.2 39.33,76.84 39.69,77.2 42.72,77.2 43.09,76.84 SW31.2 58.52,76.84 58.83,77.15 61.87,77.15 62.18,76.84 SW32.2 77.47,76.84 77.75,77.12 80.75,77.12 81.04,76.84 SW33.2 96.54,76.84 96.9,77.2 100,77.2 100.36,76.84 SW34.2 115.54,76.84 115.76,77.06 119.09,77.06 119.31,76.84 SW35.2 134.49,76.84 134.77,77.12 138.07,77.12 138.36,76.84 SW36.2 153.71,76.84 154.03,77.16 157.03,77.16 157.38,76.8 157.41,76.84 SW37.2 172.6,76.84 172.9,77.14 176.07,77.14 176.37,76.84 SW38.2 191.71,76.84 192.01,77.14 194.88,77.14 195.18,76.84 SW39.2 210.84,76.84 211.17,77.16 214.12,77.16 214.44,76.84 SW40.2 229.92,76.84 230.28,77.2 233.16,77.2 233.52,76.84 SW41.2 248.5,76.84 248.88,77.21 252.19,77.21 252.41,76.99 259.08,76.99 268.76,67.31 SW42.2 274.96,67.31 275.3,67.65 289.11,67.65 298.29,76.84 SW43.2
  Bottom w0.25: SW29.2 9.68,76.84 5.56,80.96 5.56,125.41 11.11,130.97 114.3,130.97 134.21,150.88 U1.19
Row4: length 511.9
  Top w0.25: SW44.2 17.67,57.78 18.11,58.22 21.24,58.22 21.68,57.78 SW45.2 43.83,57.78 44.32,58.28 47.48,58.28 47.98,57.78 SW46.2 63.1,57.78 63.56,58.24 66.82,58.24 67.27,57.78 SW47.2 82.29,57.78 82.79,58.28 85.42,58.28 85.92,57.78 SW48.2 101.07,57.78 101.43,58.15 104.57,58.15 104.93,57.78 SW49.2 120.19,57.78 120.65,58.25 123.52,58.25 123.98,57.78 SW50.2 139.19,57.78 139.61,58.21 143.06,58.21 143.48,57.78 SW51.2 158.26,57.78 158.66,58.19 162.07,58.19 162.47,57.78 SW52.2 177.07,57.78 177.5,58.22 180.85,58.22 181.28,57.78 SW53.2 196.37,57.78 196.78,58.2 199.88,58.2 200.29,57.78 SW54.2 215.61,57.78 215.95,58.13 218.89,58.13 219.23,57.78 SW55.2 234.42,57.78 234.93,58.3 237.78,58.3 238.29,57.78 SW56.2 253.57,57.78 253.9,58.11 257.02,58.11 257.35,57.78 SW57.2
  Bottom w0.25: U1.20 134.62,152.88 113.51,131.76 10.32,131.76 4.76,126.21 4.76,61.91 8.89,57.78 SW44.2
Row5: length 545.1
  Top w0.25: SW58.2 13.16,38.74 13.47,39.04 16.59,39.04 16.89,38.74 SW59.2 34.38,38.74 34.83,39.19 38.18,39.19 38.64,38.74 SW60.2 53.28,38.74 53.62,39.08 57.34,39.08 57.68,38.74 SW61.2 72.43,38.74 72.91,39.22 76.33,39.22 76.81,38.74 SW62.2 91.53,38.74 91.96,39.17 95.3,39.17 95.74,38.74 SW63.2 110.39,38.74 110.86,39.21 114.56,39.21 115.03,38.74 SW64.2 129.86,38.74 130.2,39.08 132.96,39.08 133.3,38.74 SW65.2 148.93,38.74 149.38,39.19 152.18,39.19 152.63,38.74 SW66.2 167.83,38.74 168.19,39.1 171.41,39.1 171.77,38.74 SW67.2 186.73,38.74 187.12,39.13 190.52,39.13 190.92,38.74 SW68.2 205.97,38.74 206.39,39.15 209.31,39.15 209.72,38.74 SW69.2 224.72,38.74 225.19,39.21 228.41,39.21 228.89,38.74 SW70.2 251.19,38.74 251.59,39.13 261.99,39.13 262.02,39.16 267.17,34 SW71.2 282.15,34 282.55,34.4 294.75,34.4 299.09,38.74 SW72.2
  Bottom w0.25: U1.21 138.37,156.91 137.32,157.96 135.73,157.96 132.56,154.78 132.56,152.4 112.71,132.56 9.53,132.56 3.97,127 3.97,42.07 7.3,38.74 SW58.2
Row6: length 574.9
  Top w0.25: SW82.2 285.91,14.92 285.48,15.35 282.6,15.35 282.17,14.92 SW81.2 267.61,14.92 267.02,15.52 263.17,15.52 262.58,14.92 SW80.2 256.29,19.78 243.48,19.78 243.07,20.18 239.4,20.18 238.9,19.69 SW79.2 223.89,19.69 223.4,20.17 220.85,20.17 220.37,19.69 SW78.2 205.15,19.69 204.61,20.23 201.51,20.23 200.97,19.69 SW77.2 195.42,19.69 186.87,28.24 181.94,28.24 180.69,26.99 145.26,26.99 138.21,19.94 135.67,19.94 135.44,20.18 132.59,20.18 132.1,19.69 SW76.1 130.18,19.84 123.03,26.99 88.9,26.99 87.31,28.57 80.17,28.57 71.28,19.69 64.49,19.69 63.95,20.22 61.15,20.22 60.61,19.69 SW75.2 40.99,19.69 40.34,20.33 37.47,20.33 36.82,19.69 SW74.2 17.25,19.69 16.6,20.33 13.7,20.33 13.05,19.69 SW73.2
  Bottom w0.25: U1.22 140.37,157.29 138.91,158.75 134.94,158.75 131.76,155.57 131.76,153.19 111.92,133.35 8.73,133.35 3.18,127.79 3.18,25.4 8.89,19.69 SW73.2
USB1_D+: length 117.4
  Top w0.2: v1(207.47,143.03) 207.93,143.5 210.06,143.5 211.03,144.46 v1(211.14,144.46)
  Bottom w0.2: U1.36 161.12,142.88 161.89,143.65 206.85,143.65 v1(207.47,143.03) ; v1(211.14,144.46) 211.14,143.99 219.16,135.96 269.99,135.96 270.4,136.38 U2.4
USB1_D-: length 117.4
  Top w0.2: v1(210.14,144.57) 209.47,143.9 207.6,143.9 v1(207.47,144.03)
  Bottom w0.2: U2.3 270.4,135.1 269.99,135.51 268.29,135.51 arc(268.16,135.46) 268.11,135.34 arc(268.06,135.21) 267.94,135.16 267.89,135.16 arc(267.76,135.21) 267.71,135.34 arc(267.66,135.46) 267.54,135.51 218.98,135.51 210.14,144.34 v1(210.14,144.57) ; U1.35 161.12,144.88 161.89,144.1 207.4,144.1 v1(207.47,144.03)
